# Altium PCB vme64x6U_ctrlc.PcbDoc (part 13 of 18)
Units mm, origin at the board's own origin, x right, y up, seen from the top; angles counter-clockwise.
Board outline 233.35 x 162 mm, 6 copper layers (TopLayer, PlaneGnd, PlanePwr, MidLayer3, MidLayer4, BottomLayer); 408 components, 677 nets, 2169 pads, 1555 vias.
Unrouted connection lines stored in the file: 184.
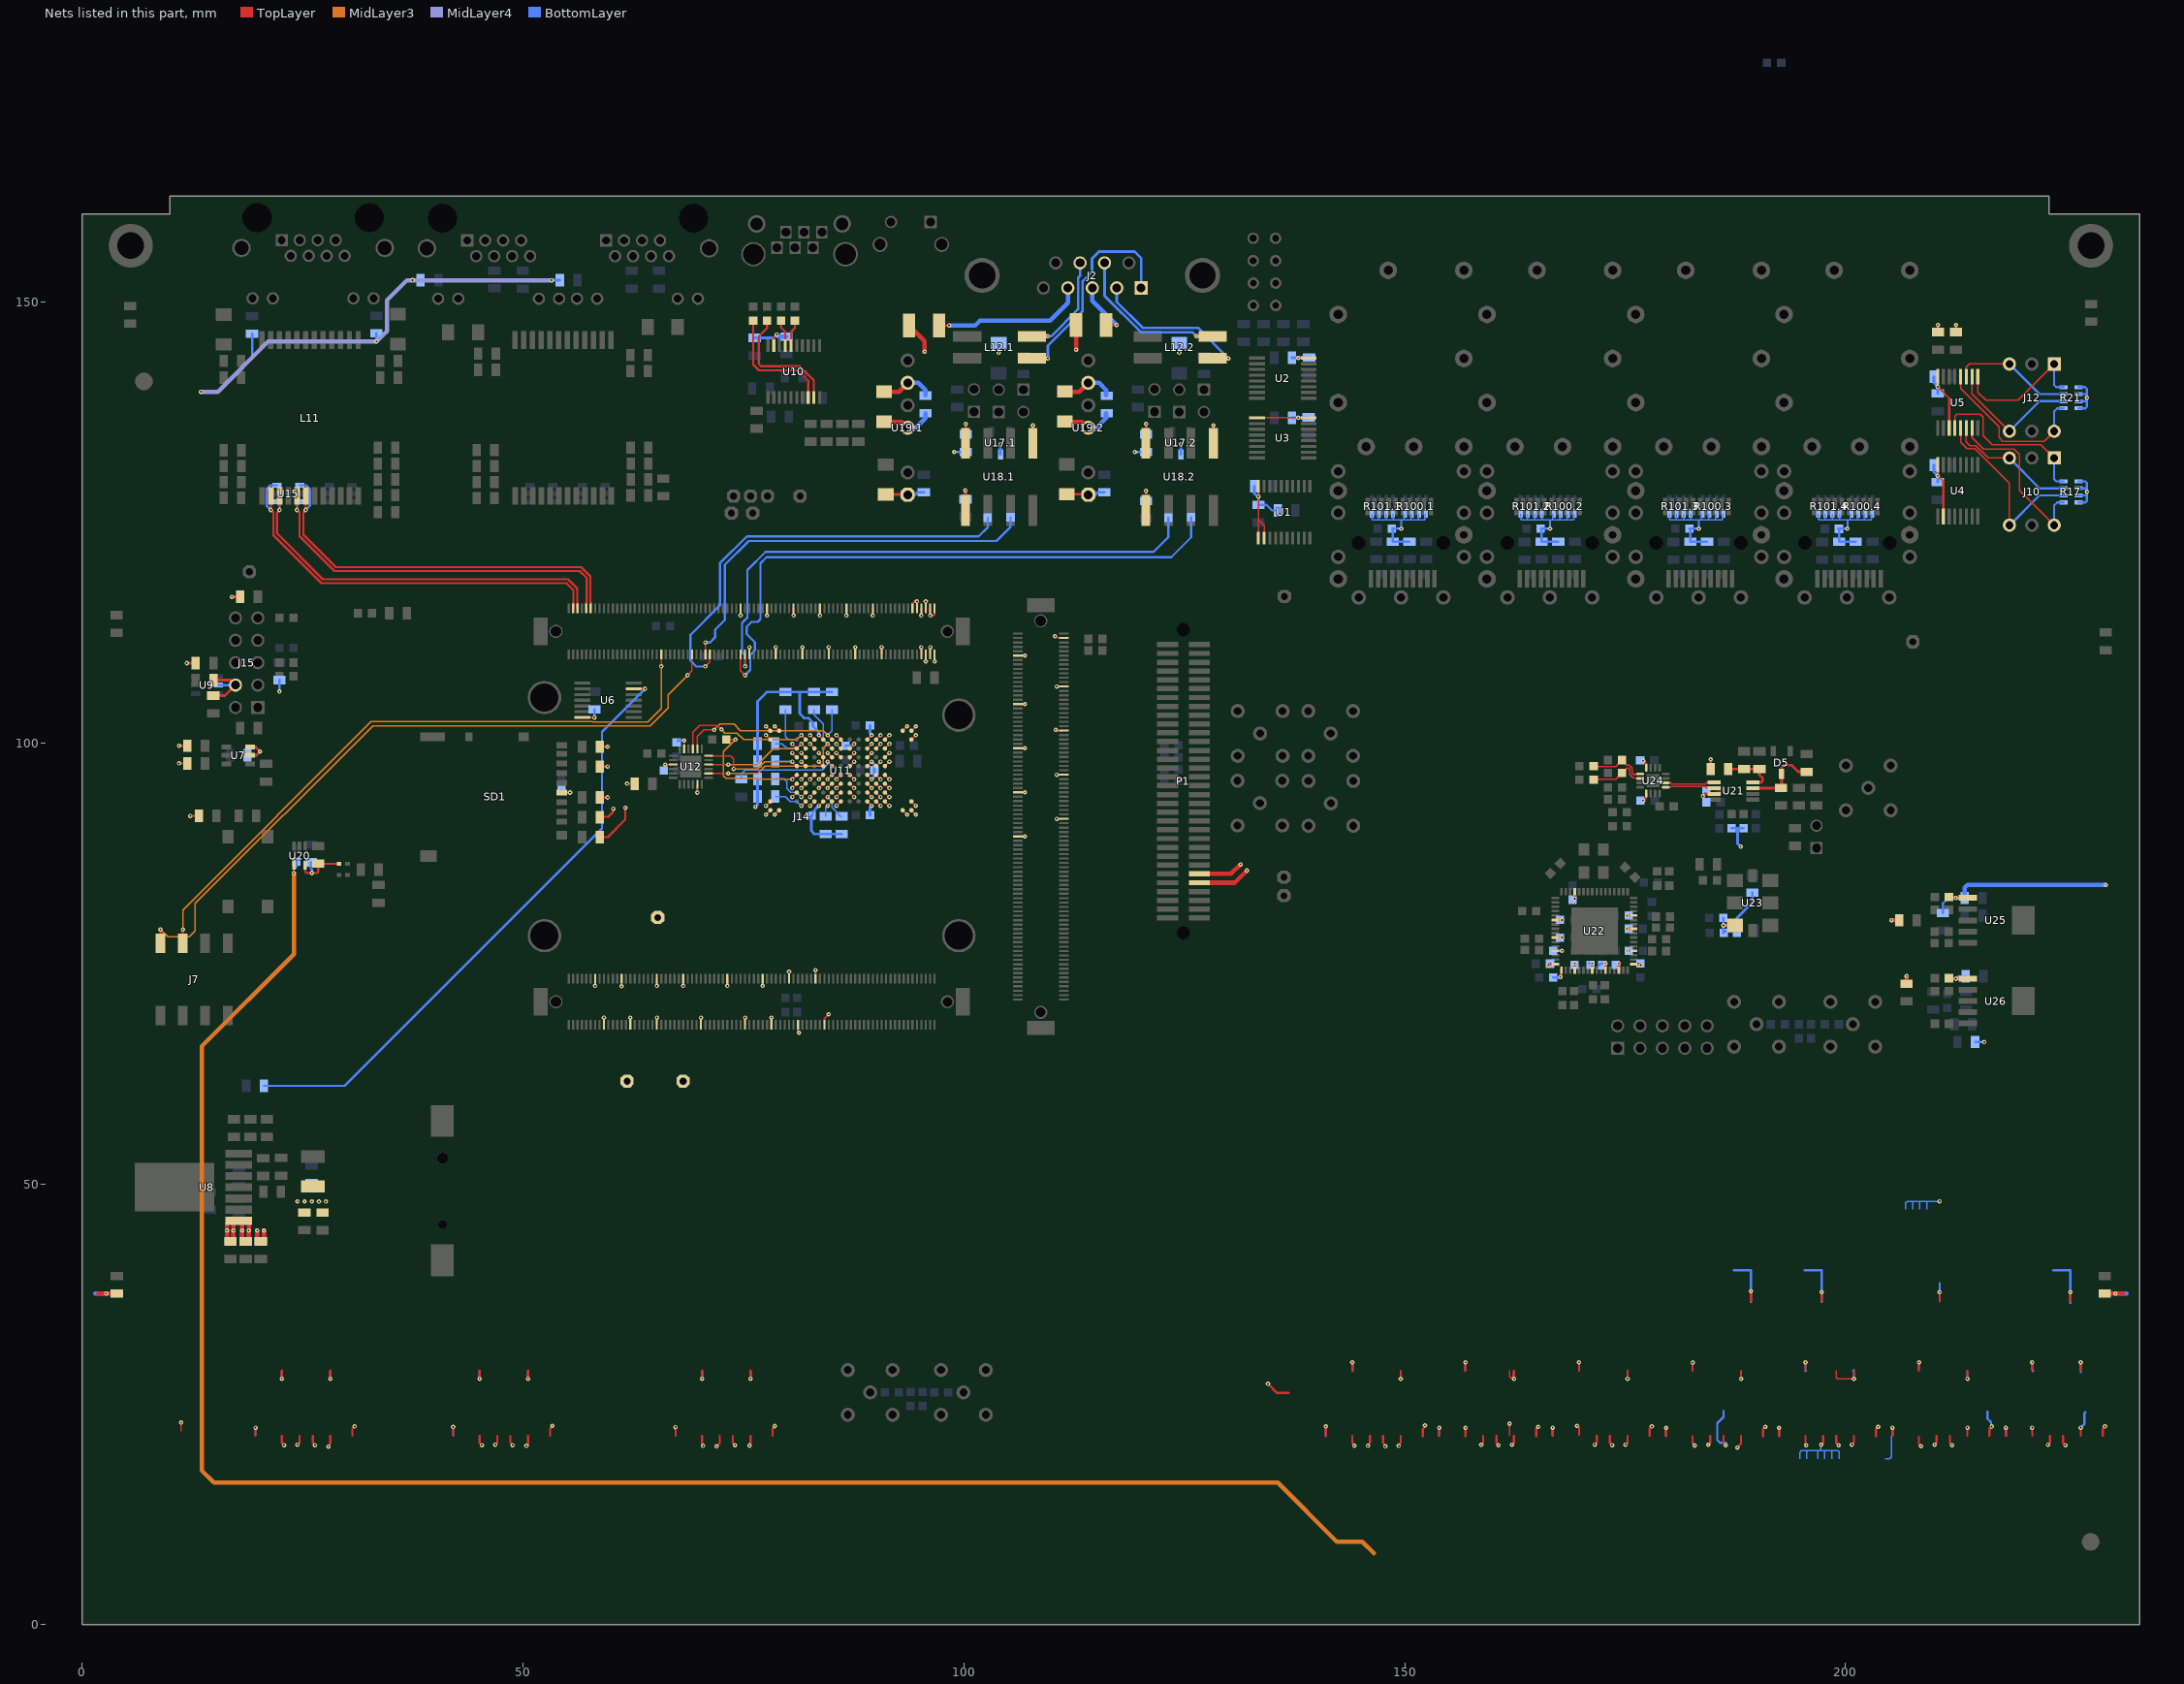
[diagram p17: the nets of this part, all layers, seen from the top]

## Part data
C1 C2 C3 C4 C5 C6 C7 C8 C9 C10 C11 C12 C13 C14 C15 C16 C17 C18 C19 C20 C21 C22 C23 C24 C25 C26 C27 C28 C29 C30 C31 C32 C33 C34 C35 C36 C37 C38 C39 C40 C41 C43 C44 C45 C46 C47 C48 C49 C65.1 C65.2 C66.1 C66.2 C67.1 C67.2 C68.1 C68.2 C69.1 C69.2 C70.1 C70.2 C71 C73.1 C73.2 C73.3 C73.4 C74.1 C74.2 C74.3 C74.4 C75.1 C75.2 C75.3 C75.4 C76.1 C76.2 C76.3 C76.4 C77.1 C77.2 C77.3 C77.4 C78 C79 C80 C81 C82 C83 C84 C85 C86 C87 C88 C89 C90 C91 C92 C93 C94 C95 C96 C97 C98 C99 C100 C101 C102 C103 C104 C105 C106 C107 C108 C109 C110 C111 C112 C113 C114 C115 C116 C117 C120 C121 C122 C123 C124 C127: library part CAPC, "Generic ceramic SMD capacitor", Last Change Data=06.03.2017, Maintainer="Evgeniy Kotov", Release Date=06.03.2017, SMD Solders=2, THD Solders=0
  C1 C2 C3 C4 C10 C11 C12 C14 C15 C16 C19 C25 C30 C33 C34 C35 C36 C37 C38 C65.1 C65.2 C66.1 C66.2 C67.1 C67.2 C69.1 C69.2 C81: PartField=0.1uF, Pkg=0805
  C5 C6 C8 C9 C39 C40 C41 C43 C44 C45 C46 C47 C48 C49 C71 C73.1 C73.2 C73.3 C73.4 C75.1 C75.2 C75.3 C75.4 C77.1 C77.2 C77.3 C77.4 C78 C79 C82 C83 C84 C85 C86 C87 C88 C89 C90 C91 C92 C93 C94 C95 C96 C97 C98 C99 C100 C101 C102 C103 C104 C105 C106 C107 C108 C109 C110 C111 C112 C113 C114 C115 C116 C117 C120 C122 C123 C127: PartField=100nF, Pkg=0603
  C7 C17 C18 C20 C21 C22 C23 C24 C26 C27 C28 C31 C32 C74.1 C74.2 C74.3 C74.4 C76.1 C76.2 C76.3 C76.4: PartField=22uF, Pkg=0805
  C13: PartField=270pF, Pkg=0805
  C29: PartField=120pF, Pkg=0805
  C68.1 C68.2 C70.1 C70.2: PartField=47uF, Pkg=1006
  C80: PartField=1nF, Pkg=0805
  C121 C124: PartField=10nF, Pkg=0603
C42 C50 C52 C53 C54 C55 C57 C60 C61 C62 C63 C72 C118 C119 C125 C126: library part CAPC, "Generic ceramic SMD capacitor", Voltage Rating=10V, Last Change Data=06.03.2017, Maintainer="Evgeniy Kotov", Pkg=0805, Release Date=06.03.2017, SMD Solders=2, THD Solders=0
  C42 C50 C52 C53 C54 C55 C57 C60 C61 C62 C63 C72 C118 C125: PartField=1uF
  C119 C126: PartField=22uF
C51 C56 C59 C64.1 C64.2: library part CAPC, "Generic ceramic SMD capacitor", VoltageRating=2kV, Last Change Data=06.03.2017, Maintainer="Evgeniy Kotov", PartField=1nF, Pkg=1206, Release Date=06.03.2017, SMD Solders=2, THD Solders=0
C58: library part CAPC, "Generic ceramic SMD capacitor / +' x '+Voltage Rating", VoltageRating=2kV, Last Change Data=06.03.2017, Maintainer="Evgeniy Kotov", PartField=1nF, Pkg=1206, Release Date=06.03.2017, SMD Solders=2, THD Solders=0
D1 D2: "Schottky Barrier Diode", Forward Current=100mA, Forward Voltage="0.38V @ 1mA / 1V @ 40mA", Reverse Current=15mA, Reverse Voltage=40V, Temperature Range="-55°C to +150°C", Last Change Data=28.03.2017, Maintainer="Evgeniy Kotov", PartField=BAS40SL, Pkg=SOD-923F, Release Date=28.03.2017, SMD Solders=2, THD Solders=0, Vendor=Vishay
D3: library part LEDx4_H485CGDL, "LED Circuit Board Indicator 4 High Green (x 4) Diffused 2.1V Round with Domed Top, 1.80mm Through Hole", Color=Green, Forward Current=5mA, Temperature Range="-55°C to +150°C", Last Change Data=28.03.2017, Maintainer="Evgeniy Kotov", PartField=H485CGDL, Pkg="8 pin THD Led", Release Date=28.03.2017, SMD Solders=0, THD Solders=8, Vendor="Bivar Inc."
D4: library part LED_SMD0603, "SMD Led, 0603", Color=Blue, Forward Current=5mA, Temperature Range="-55°C to +150°C", Last Change Data=28.03.2017, Maintainer="Evgeniy Kotov", PartField="LB Q39E-N1OO-35-1", Pkg=0603, Release Date=28.03.2017, SMD Solders=2, THD Solders=0, Vendor=Vishay
D5: "High Conductance Low Leakage Diode", HelpURL=https://www.engineering.uiowa.edu/sites/default/files/ees/files/NI/pdfs/01/30/DS013013.pdf, PartField=MMBD1503, Pkg=SOT-3N, SMD Solders=3, SolderOption=0, THD Solders=0
J1: library part BAT_CR1220, "BATTERY HOLDER COIN 12.5MM SMD", ComponentLink1Description=Datasheet, Last Change Data=02.04.2017, Maintainer="Evgeniy Kotov", PartField=BC501SM, Pkg="12MM SMD", Release Date=02.04.2017, SMD Solders=2, THD Solders=0
J2: "D-SUB; 9-pin, male, flange 7.2mm", PartField=DRB-9MA, Pkg=DRB-9MA, SMD Solders=0, SolderOption=0, THD Solders=11
J3 J4 J5 J6 J8 J9 J24 J27 J28: library part LEMO_EPA.00.250, PartField=EPA.00.250.NTN, Pkg="LEMO 5pin", SMD Solders=0, SolderOption=0, THD Solders=5
J7: library part DIPSW4, "SMD DIP Switch, Omron A6H or A6SN series", Manufacturer=Omron, PartField=A6SN-4104, Pkg="SMD 8pin", SMD Solders=8, THD Solders=0
J11: "Tactile Switch SPST-NO Side Actuated Through Hole, Right Angle", ComponentLink1Description=Datasheet, Last Change Data=02.04.2017, Maintainer="Evgeniy Kotov", PartField=PTS645VL582LFS, Pkg="Button 4 pin", Release Date=02.04.2017, SMD Solders=0, THD Solders=4
J13: "Tactile Switch SPST-NO Top Actuated Surface Mount", ComponentLink1Description=Datasheet, Last Change Data=02.04.2017, Maintainer="Evgeniy Kotov", PartField=PTS645SL43SMTR92, Pkg="Button 4 pin", Release Date=02.04.2017, SMD Solders=4, THD Solders=0
J14: library part FX10A-168P-SV_ME-SA2+, HelpURL=https://www.hirose.com/product/document?clcode=CL0570-0044-8-71&productname=FX10A-168P-SV(71)&series=FX10&documenttype=Catalog&lang=ru&documentid=D31650_en, PartField=FX10A-168P-SV1(71), PIN_COUNT=168, Pkg="SMD 170pin", SMD Solders=170, SolderOption=0, THD Solders=0
J15 J26: library part IDC-10MS, "Connector, 5x2, Male, 2.54mm Pitch, Strait contacts, with Body", ComponentLink1Description=Datasheet, Last Change Data=28.03.2017, Maintainer="Evgeniy Kotov", PartField=IDC-10MC, Pkg=IDC-10, Release Date=28.03.2017, SMD Solders=0, THD Solders=10
J16: library part RJ-14, PartField=1734723-1@TYCO, Pkg=RJ14-6p, SMD Solders=0, THD Solders=10
J17: library part RJ45-RJHSE-5381-2, "Dual Port, High Speed RJ45, Modular Jack, 8 Position, 8 Contacts, Shielded, with LEDs, -55 to 85 degC,12-Pin THD, RoHS, Tray", LED Color=Yellow-Green, Manufacturer=Amphenol, Operating Temperature=-55°C~85°C, Package Description="12-Pin Through Hole Device, Body 16.51 x 15.75 mm", Package Reference=RJHSE-5381, Ratings=-, Standard Package=120, 3D Model=RJHSE538x.stpRJHSE538x.igs, Catalog Drawings=RJ45SeriesRightAngle, Category=Connectors,Interconnects, Connector Type=Jack, Contact Finish=Gold, Contact Finish Thickness=50µin(1.27µm), Contact Material=PhosphorBronze, Datasheet URL=https://datasheet.ciiva.com/16481/rjhse538x-16481714.pdf, Datasheet Version="Rev. K, 04/2014", Family=ModularConnectors-Jacks, Featured Product=ModularJacksProductSolutions, Features=BoardLock, Housing Material=Thermoplastic, Ingress Protection=-, Manufacturer URL=http://www.amphenol.com/, Mounting Technology=ThroughHole, Mounting Type=ThroughHole, Number of Ports=1, Number of Positions/Contacts=8p8c(RJ45,Ethernet), Number of Rows=1, Online Catalog=RJHSESeries, Orientation=90°Angle(Right), Other Names=RJHSE5381, Packaging=Tray, PartField=RJHSE-5381-2, PCN Design/Specification=MultipleSeriesCopper29/Jan/2009RJHSEShieldMaterial30/Jun/2015, Pkg="LAN x2", Series=RJHSE, Shielding=Shielded,EMIFinger, SMD Solders=0, Tab Direction=Up, Termination=Solder, THD Solders=28
J18: library part RJ45-RJHSE-5381, "High Speed RJ45, Modular Jack, 8 Position, 8 Contacts, Shielded, with LEDs, -55 to 85 degC,12-Pin THD, RoHS, Tray", LED Color=Yellow-Green, Manufacturer=Amphenol, Operating Temperature=-55°C~85°C, Package Description="12-Pin Through Hole Device, Body 16.51 x 15.75 mm", Ratings=-, Standard Package=120, 3D Model=RJHSE538x.stpRJHSE538x.igs, Catalog Drawings=RJ45SeriesRightAngle, Category=Connectors,Interconnects, Connector Type=Jack, Contact Finish=Gold, Contact Finish Thickness=50µin(1.27µm), Contact Material=PhosphorBronze, Datasheet URL=https://datasheet.ciiva.com/16481/rjhse538x-16481714.pdf, Datasheet Version="Rev. K, 04/2014", Family=ModularConnectors-Jacks, Featured Product=ModularJacksProductSolutions, Features=BoardLock, Housing Material=Thermoplastic, Ingress Protection=-, Manufacturer URL=http://www.amphenol.com/, Mounting Technology=ThroughHole, Mounting Type=ThroughHole, Number of Ports=1, Number of Positions/Contacts=8p8c(RJ45,Ethernet), Number of Rows=1, Online Catalog=RJHSESeries, Orientation=90°Angle(Right), Other Names=RJHSE5381, Package Reference=RJHSE-5381, Packaging=Tray, PartField=RJHSE-5381, PCN Design/Specification=MultipleSeriesCopper29/Jan/2009RJHSEShieldMaterial30/Jun/2015, Pkg="LAN conn", Series=RJHSE, Shielding=Shielded,EMIFinger, SMD Solders=0, Tab Direction=Up, Termination=Solder, THD Solders=14
J19.1 J19.2 J20.1 J20.2 J21.1 J21.2: "Connector, 5x2, Male, 2.54mm Pitch, Right Angle", ComponentLink1Description=Datasheet, Last Change Data=02.04.2017, Maintainer="Evgeniy Kotov", PartField=PLS-2, Pkg=PLS-2, Release Date=02.04.2017, SMD Solders=0, THD Solders=2
J22.1 J22.2 J22.3 J22.4: library part MOLEX-74441-0001, "CONN SFP+ RCPT 20POS SLD R/A SMD", Package Quantity=1152, ComponentLink1Description="Manufacturer URL", ComponentLink1URL=http://www.molex.com/, ComponentLink2Description=Datasheet, ComponentLink2URL=http://www.molex.com/webdocs/datasheets/pdf/en-us/0747540101_IO_CONNECTORS.pdf, ComponentLink3Description="Package Specification", ComponentLink3URL=http://www.molex.com/pdm_docs/sd/747540101_sd.pdf, DatasheetVersion="Rev. Jul-15", Height="10.85 mm", Length="15.9 mm", Mounting Technology="Through Hole", PackageDescription="CONN SFP+ RCPT 20POS SLD R/A SMD", PackageVersion="Rev. J, 02/2015", Packaging=Tray, PartField=74441-0001, PartNumber=74441-0001, Pkg="SMD SFP conn", Radiation Hardening=No, RoHSCompliant=True, SMD Solders=20, THD Solders=0, Width="49 mm"
J23.1 J23.2 J23.3 J23.4: library part MOLX-74754-0101, "SFP+ Cage, Single Port, Height 10.85 mm, Tail Height 3.05 mm, -40 to 85 degC, RoHS, Tray", Package Quantity=1152, ComponentLink1Description="Manufacturer URL", ComponentLink1URL=http://www.molex.com/, ComponentLink2Description=Datasheet, ComponentLink2URL=http://www.molex.com/webdocs/datasheets/pdf/en-us/0747540101_IO_CONNECTORS.pdf, ComponentLink3Description="Package Specification", ComponentLink3URL=http://www.molex.com/pdm_docs/sd/747540101_sd.pdf, DatasheetVersion="Rev. Jul-15", Height="10.85 mm", Length="15.9 mm", Mounting Technology="Through Hole", PackageDescription="SFP+ Cage, Single Port, Height 10.85 mm, Tail Height 3.05 mm", PackageVersion="Rev. J, 02/2015", Packaging=Tray, PartField=74754-0101, PartNumber=74754-0101, Pkg="SFP cage", Radiation Hardening=No, RoHSCompliant=True, SMD Solders=0, THD Solders=20, Width="49 mm"
J25: library part JUMPER2, PartField=PLS-2, Pkg=PLS-2, SMD Solders=0, SolderOption=0, THD Solders=2
L1 L13.1 L13.2: "Inductor, Fixed, 1210, 4.7uH, 216mOhm, 1A, 30%", DC Current=750mA, DC Resistance=380m?, Temperature Range="-40°C to +105°C", Tolerance=20%, Last Change Data=30.03.2017, Maintainer="Evgeniy Kotov", PartField=LQH32PN4R7NN0L, Pkg=1210, Release Date=30.03.2017, SMD Solders=2, THD Solders=0, Vendor=Murata
L2 L3 L4 L5: "Ferrite Beads, 0805, 1 kOhm", DC Current=200mA, DC Resistance=500m?, Temperature Range="-55°C to +125°C", Tolerance=25%, Last Change Data=30.03.2017, Maintainer="Evgeniy Kotov", PartField=BLM21RK102SN1D, Pkg=0805, Release Date=30.03.2017, SMD Solders=2, THD Solders=0, Vendor=Murata
L6 L11: library part LAN_1G_TR_H5008NL, "LAN Transformer fog 1GbE, 12 coils, 4 pairs.", Temperature Range="-25°C to +85°C", Tolerance=2%, Last Change Data=31.03.2017, Maintainer="Evgeniy Kotov", PartField=H5008NL, Pkg=H5008NL, Release Date=31.03.2017, SMD Solders=2, THD Solders=0, Vendor="Pulse Electronics"
L7 L8 L9 L10: library part BLM21RK102SN1D, "Ferrite Beads, 0805, 1 kOhm", DC Current=200mA, DC Resistance=500m?, Temperature Range="-55°C to +125°C", Tolerance=25%, Last Change Data=30.03.2017, Maintainer="Evgeniy Kotov", PartField=BLM21RK102SN1D, Pkg=0805, Release Date=30.03.2017, SMD Solders=2, THD Solders=0, Vendor=Murata
L14.1 L14.2 L14.3 L14.4 L15.1 L15.2 L15.3 L15.4: "Ferrite Beads, 0805, 220 Ohm, 2A", DC Current=200mA, DC Resistance=50m?, Temperature Range="-55°C to +125°C", Tolerance=25%, Last Change Data=30.03.2017, Maintainer="Evgeniy Kotov", PartField=BLM21PG221SN1, Pkg=0805, Release Date=30.03.2017, SMD Solders=2, THD Solders=0, Vendor=Murata
P1: library part PCI_PMC_TYCO_120521-1, "PCI Mezzanine Connector; IEEE 1386", Manufacturer="TE Connectivity", PartField=TYCO_120521-1, Pkg="SMD 64 pin", SMD Solders=64, THD Solders=0
R1 R2 R3 R4 R5 R6 R7 R8 R9 R10 R11 R12 R13 R14 R15 R16 R18 R19 R20 R22 R23 R24 R25 R26 R27 R28 R29 R30 R31 R32 R33 R34 R35 R36 R37 R38 R39 R40 R41 R42 R43 R44 R45 R46 R47 R48 R49 R50 R51 R52 R53 R54 R55 R56 R57 R58 R59 R60 R61 R62 R63 R64 R65 R66 R67 R68 R69 R70 R71 R72 R73 R74 R75 R76 R77 R78 R79 R80 R81 R82 R83 R84 R85 R86 R87 R88 R89 R90 R91 R92 R93 R94 R95.1 R95.2 R96.1 R96.2 R97.1 R97.2 R98.1 R98.2 R99 R102 R103 R104 R105 R106 R107 R108 R109 R110 R111 R112 R113 R114 R115 R116 R117 R118 R119 R120 R121 R122 R123 R124 R125 R126 R127 R128 R129 R130 R131 R132 R133 R134 R135 R136 R137 R138: library part RESC, "Resistor, Generic, SMD", Last Change Data=09.03.2017, Maintainer="Evgeniy Kotov", Release Date=06.03.2017, SMD Solders=2, THD Solders=0
  R1 R2 R3 R4 R5 R6 R7 R10 R118 R119 R137: PartField=5.1k?, Pkg=0805
  R8: PartField=43k?, Pkg=0805
  R9 R11 R12 R13 R14 R15 R16 R18 R19 R41 R45 R47 R48 R123 R124 R125 R128 R129 R132 R134: PartField=100?, Pkg=0603
  R20 R46 R49 R50 R61 R62 R63 R64 R65 R66 R67 R68 R69 R70 R71 R74 R75 R76 R77 R78 R106: PartField=10k?, Pkg=0805
  R22 R23 R25 R26 R34 R35 R38 R42 R44 R54 R56 R57 R58: PartField=1k?, Pkg=0805
  R24 R29 R51 R52 R99 R108 R112: PartField=51k?, Pkg=0805
  R27 R28 R31 R33: PartField=10M?, Pkg=0805
  R30 R32 R37 R102 R109: PartField=0?, Pkg=0805
  R36: PartField=75k?, Pkg=0805
  R39: PartField=24k?, Pkg=0805
  R40 R43 R53 R55 R59 R60 R72 R73 R96.1 R96.2 R98.1 R98.2 R113 R115 R122 R126 R127: PartField=22?, Pkg=0603
  R79 R81 R82 R83 R84 R85 R87 R88 R89 R90 R92 R94: PartField=75?, Pkg=0805
  R80 R86 R91 R93 R103 R104 R107 R114: PartField=150?, Pkg=0805
  R95.1 R95.2 R97.1 R97.2: PartField=62?, Pkg=0805
  R105 R120: PartField=51?, Pkg=0805
  R110 R111 R116 R117: PartField=*?, Pkg=0603
  R121: PartField=820?, Pkg=0603
  R130 R131 R135 R136: PartField=91?, Pkg=0603
  R133: PartField=68?, Pkg=0603
  R138: PartField=12k?, Pkg=0805
R17 R21 R100.1 R100.2 R100.3 R100.4 R101.1 R101.2 R101.3 R101.4: library part RESPACK4, Last Change Data=16.05.2019, Maintainer="Anton Pavlenko", Pkg="SMD 8pin", Release Date=16.05.2019, SMD Solders=8, THD Solders=0
  R17 R21: PartField=CAY16-4702F4LF
  R100.1 R100.2 R100.3 R100.4 R101.1 R101.2 R101.3 R101.4: PartField=CAY16-1002F4LF
SD1: "Micro SD Card Connector, 0.5 A, 125 V, -25 to 85 degC, 8-Pin SMD, RoHS, Tape and Reel", Manufacturer="Hirose Electric", Package Description="8-Pin Surface Mount Device, Body 16.15 x 13.85 mm, Pitch 1.1 mm", Package Reference=DM3AT-8, Standard Package=1, Card Type=SecureDigital-microSD™, Category=Connectors,Interconnects, Connector Type=ConnectorandEjector, Contact Finish=Gold, Contact Finish Thickness=-, Datasheet URL=https://ciiva.com/datasheet-click-46418261?src=ciiva&sig=4019062a, Datasheet Version=Jun-10, Ejector Side=-, Family=MemoryConnectors-PCCardSockets, Featured Product=DM3ATSeries, Features=Switch, HTML Datasheet=DM3SeriesmicroSD.html, Insertion, Removal Method=PushIn,PushOut, Manufacturer URL=https://www.hirose.com, Mounting Feature=Normal,Standard-Top, Mounting Type=SurfaceMount,RightAngle, Number of Positions=10(8+2), Online Catalog=DM3Series, Other Names=HR1964DKR, Package URL=https://www.hirose.com/product/en/download_file/key_name/DM3/category/Catalog/doc_file_id/49662/?file_category_id=4&item_id=195&is_series=1, Packaging=Digi-Reel, PartField=DM3AT-SF-PEJM5, Pkg="SD card hlder", Product Training Modules=DM3SeriesmicroSDCardSockets, Series=DM3, SMD Solders=14, THD Solders=0, Vendor="Hirose Electric"
TP1 TP2 TP3 TP4 TP5 TP6 TP7 TP8 TP9 TP10 TP11 TP12 TP13 TP14: library part TestPoint, "testPoint", PartField="test point", Pkg=DNP, SMD Solders=0, SolderOption=0, THD Solders=0, Vendor=BINP
U1: "4-Channel I2C-Bus Multiplexer with Interrupt Logic", Case=SSOP20, Manufacturer="NXP SEMICONDUCTORS", Author="CERN DEM JLC", Bonding=No, ComponentHeight=1.1mm, Component Type=Standard, CreateDate=06/10/2014, Device=PCA9544APW, HelpURL=\\cern.ch\dfs\Applications\Altium\Datasheets\PCA9544APW.pdf, LatestRevisionDate=06/10/2014, Manufacturer Part Number=PCA9544APW, Mounted=Yes, PackageDescription="SOP, 20-Leads, Body 6.6x4.5mm (max), Pitch 0.65mm, IPC Medium Density", Part Description="4-Channel I2C-Bus Multiplexer with Interrupt Logic", PartField=PCA9544APW, Part Number=PCA9544APW, Pin Count=20, Pkg=SSOP20, PressFit=No, Sense=No, SMD=Yes, SMD Solders=20, Socket=No, THD Solders=0
U2 U3 U4 U5: "8-Bit I2C-Bus and SMBus Low Power I/O Port with Interrupt", Case=SSOP16, Manufacturer="ANALOG DEVICES", Author="CERN DEM JLC", Bonding=No, ComponentHeight=1.1mm, Component Type=Standard, CreateDate=18/12/2013, Device=PCA9534PW, HelpURL=\\cern.ch\dfs\Applications\Altium\Datasheets\PCA9534PW.pdf, LatestRevisionDate=18/12/2013, Manufacturer Part Number=PCA9534PW, Mounted=Yes, PackageDescription="SOP, 0.65mm pitch; 16 pin, 4.40mm W X 5.00mm L X 1.10mm H body IPC Medium Density", Part Description="8-Bit I2C-Bus and SMBus Low Power I/O Port with Interrupt", PartField=PCA9534PW, Part Number=PCA9534PW, Pin Count=16, Pkg=SSOP16, PressFit=No, Sense=No, SMD=Yes, SMD Solders=16, Socket=No, THD Solders=0
U6: "Sextuple NOR Gate", Manufacturer="Texas Instruments", PACKAGE_DESIGNATOR=PW, FAMILY_NAME=NOR_GATE, GENERIC_PART_NUMBER=SN74LVC04APW, HelpURL=http://www.ti.com/lit/ds/symlink/sn74lvc04a.pdf, INDUSTRY_STD_PKG_TYPE=TSSOP, Manufacturer_Part_Number=SN74LVC04APW, PartField=SN74LVC04APW, PIN_COUNT=14, Pkg=PW-14, SMD Solders=14, THD Solders=0, Vendor="Texas Instruments"
U7: "Low-Quiescent-Current Programmable-Delay Supervisory Circuit", ComponentLink1Description=Datasheet, ComponentLink1URL=http://www.ti.com/lit/ds/symlink/dac7565.pdf, Last Change Date=19.03.2017, Maintainer="Evgeniy Kotov", PartField=TPS3808G33QDBVRQ1, Pkg=SOT23-6, Release Date=19.03.2017, SMD Solders=6, THD Solders=0, Vendor="Texas Instruments"
U8: library part LMZ10504EXT_NDW, "4A, SIMPLE SWITCHER® Power Module with 5.5V Maximum Input Voltage for Military and Rugged Applications", Manufacturer="Texas Instruments", Manufacturer_Part_Number=lmz10504ext_ndw_7, NSC_PackageReference=TZA07A, basePN=LMZ10504EXT, HelpURL=http://www.ti.com/lit/ds/symlink/lmz10504ext.pdf, PartField=LMZ10504EXT, Pkg=PMOD-7EP, SMD Solders=8, THD Solders=0, Vendor="Texas Instruments"
U9 U13 U14 U15 U16: "Transimpedance Amplifier; Selectable-Feedback Resistance", ComponentLink1Description=Datasheet, ComponentLink1URL=http://assets.nexperia.com/documents/data-sheet/IP4220CZ6.pdf, Last Change Date=28.03.2017, Maintainer="Evgeniy Kotov", PartField=IP4220CZ6, Pkg=SOT457, Release Date=28.03.2017, SMD Solders=6, THD Solders=0, Vendor=NXP
U10: library part ADM3222ARU, "RS232", ComponentLink1URL=https://www.analog.com/media/en/technical-documentation/data-sheets/ADM3202_3222_1385.pdf, Last Change Date=24.05.2019, PartField=ADM3222ARUZ, Pkg=TSSOP-20, SMD Solders=20, THD Solders=0, Vendor="Analog Devices"
U11: library part MTFC32GAKAENA, PartField="MTFC8GACAEDQ-AAT TR", Pkg=LBGA-100, SMD Solders=100, THD Solders=0
U12: library part TXS02612_RTW_24, "IC SDIO PORT EXPANDER AND LEVEL SHIFTER", Manufacturer="Texas Instruments", Manufacturer_Part_Number=txs02612_rtw_24, PACKAGE_DESIGNATOR=RTW, Datasheet URL=http://www.ti.com/lit/gpn/TXS02612, FAMILY_NAME="APPLICATION SPECIFIC (COMPACT FLASH, SD, MMC, I2C)", GENERIC_PART_NUMBER=TXS02612RTWR, INDUSTRY_STD_PKG_TYPE=QFN, PartField=TXS02612RTWR, PIN_COUNT=24, Pkg=QFN-24EP, RefDes=RefDes, SMD Solders=25, THD Solders=0, Type=DEV, Vendor="Texas Instruments"
U19.1 U19.2: "AM3G-0505DZ", Manufactuer=Aimtec, HelpURL=http://www.aimtec.com/site/Aimtec/files/Datasheet/HighResolution/AM1D-NZ.pdf, Manufacturer=Aimtec, PartField=AM1D-0505S-N, Pkg=SIP-7pin, SMD Solders=0, SolderOption=0, THD Solders=7, Vendor=Aimtec
U20: "Ultra low power (Iq=1.2 mkA) LDO 3.3V Fixed", Manufacturer="Texas Instruments", PACKAGE_DESIGNATOR=MF, FAMILY_NAME=LDO, GENERIC_PART_NUMBER=TPS79733DCK, HelpURL=http://www.ti.com/lit/ds/symlink/tps797.pdf, INDUSTRY_STD_PKG_TYPE=SC70-5, Manufacturer_Part_Number=TPS79733DCK, PartField=TPS79733DCK, PIN_COUNT=5, Pkg=SC70-5, SMD Solders=5, THD Solders=0, Vendor="Texas Instruments"
U21: "LVDS Comparator", Manufacturer_Part_Number=ADCMP553BRMZ, PartField=ADCMP553BRMZ, Pkg=MSOP-8, SMD Solders=8, SolderOption=0, THD Solders=0, Vendor="Analog Devices Inc"
U22: library part Si5395A, Manufacturer=SiLabs, PartField=Si5395A-A-GM, Pkg=QFN-64EP, SMD Solders=65, THD Solders=0, Vendor=SiLabs
U23: library part Si570, "XTAL OSCILLATOR SMD", Ambient Temperature Range High=+85°C, Ambient Temperature Range Low=-40°C, Frequency=0.2-1500MHz, Manufacturer="Silicon Labs", Manufacturer Part Number=541AAA001040BAGR, Max Supply Voltage=3.465V, Min Supply Voltage=2.375V, Nominal Supply Current=100mA, Temperature="-40°C to +85°C", Automotive=No, Category=IC, ComponentLink2Description=Datasheet, ComponentLink2URL=https://www.silabs.com/documents/public/data-sheets/si541-datasheet.pdf, Device Class L1="Integrated Circuits (ICs)", Device Class L2="Clock and Timing", Device Class L3="Timers and Oscillators", Digikey Description="XTAL OSCILLATOR SMD", Height=1.33mm, Last Change Data=09.03.2017, Lead Free=Yes, Maintainer="Evgeniy Kotov", Octopart=https://octopart.com/541aaa001040bagr-silicon+labs-103392146, PartField=570CBC000306DG, Pkg="SMD 6pin", RoHS=TRUE, SMD Solders=6, Temperature Range High=+85°C, Temperature Range Low=-40°C, THD Solders=0
U24: "IC CLK FANOUT BUFFER 1:2 16LFCSP", Ambient Temperature Range High=+85°C, Ambient Temperature Range Low=-40°C, Manufacturer="Silicon Labs", Max Junction Temp=+125°C, Max Supply Voltage=3.63V, Min Supply Voltage=1.71V, Nominal Supply Current=65mA, Temperature="-40°C to +85°C", Automotive=No, Category=IC, ComponentLink2Description=Datasheet, ComponentLink2URL=https://www.silabs.com/documents/public/data-sheets/si5330x-datasheet.pdf, Device Class L1="Integrated Circuits (ICs)", Device Class L2="Clock and Timing", Device Class L3="Clock Buffers", Digikey Description="IC CLK BUFFER 2:4 725MHZ 16QFN", Height=0.9mm, Ipc Land Pattern Name=QFN50P300X300X85-16, Last Change Data=09.03.2017, Lead Free=Yes, Logic Function=Non-Inverting, Maintainer="Evgeniy Kotov", Manufacturer Part Number=ADCLK925BCPZ, Mouser Description="Clock Buffer 1:2 Univ bufr/Lvl Trans 725MHz", Number Of Elements=1, Number Of Inputs=2, Number Of Outputs=4, Octopart=https://octopart.com/si53307-b-gm-silicon+labs-51374320, PartField=ADCLK925BCPZ, Pkg=LFCSP-16EP, Propagation Delay=875ps, RoHS=TRUE, SMD Solders=17, Standoff Height=0mm, Temperature Range High=+85°C, Temperature Range Low=-40°C, THD Solders=0
U25: "Single Output LDO, 1.0A, Fixed (3.3V), Low Noise, Fast Transient Response", Manufacturer="Texas Instruments", Manufacturer_Part_Number=reg104-33_dcq_6, PACKAGE_DESIGNATOR=DCQ, Datasheet URL=http://www.ti.com/lit/gpn/REG104-A, FAMILY_NAME="SINGLE CHANNEL LDO", GENERIC_PART_NUMBER=REG104GA-3.3, INDUSTRY_STD_PKG_TYPE=SOT-223, PartField=REG104GA-3.3, PIN_COUNT=6, Pkg=SOT-5EP, SMD Solders=6, THD Solders=0, Vendor="Texas Instruments"
U26: "Single Output LDO, 1.0A, Adj.(1.295 to 5.5V), Low Noise, Fast Transient Response", Manufacturer="Texas Instruments", Manufacturer_Part_Number=reg104-a_dcq_6, PACKAGE_DESIGNATOR=DCQ, Datasheet URL=http://www.ti.com/lit/gpn/REG104-A, FAMILY_NAME="SINGLE CHANNEL LDO", GENERIC_PART_NUMBER=REG104GA-A, INDUSTRY_STD_PKG_TYPE=SOT-223, PartField=REG104GA-A, PIN_COUNT=6, Pkg=SOT-5EP, SMD Solders=6, THD Solders=0, Vendor="Texas Instruments"
XC1: library part XTAL_CX3225SB48, "Kyocera XTAL 48MHz CX3225SB48000D0WPSC1", Last Change Data=09.03.2017, Maintainer="Evgeniy Kotov", PartField=CX3225SB48000D0WPSC1, Pkg="4 pin SMD", Release Date=06.03.2017, SMD Solders=4, THD Solders=0, Vendor=Kyocera
J10 J12: PartField=ERD116XSZ, Pkg="Rotary 6pin", SMD Solders=0, SolderOption=0, THD Solders=6, Vendor=ECE
L12.1 L12.2: PartField=B82790C0513, Pkg="SMD 4 pin", SMD Solders=4, THD Solders=0, Vendor=Epcos
U17.1 U17.2: ComponentLink1Description=Datasheet, ComponentLink1URL=https://static.chipdip.ru/lib/081/DOC001081416.pdf, Last Change Data=05.03.2020, PartField=SM712, Pkg=SOT23-3, SMD Solders=3, THD Solders=0, Vendor=SemTech
U18.1 U18.2: Order=main, PartField=ISO1050DU, Pkg=SOP-8, SMD Solders=8, THD Solders=0

## Free pads (board coordinates)
  round 5 hole 3: 0(5.5,156.4) 0(227.85,156.4)
  round 2 smd mask+1: 2(7,141) 2(227.8,9.4)
  round 2 smd far side mask+1: 2(7,141) 2(227.8,9.4)

## Via types
v1: diameter 0.5, hole 0.2, TopLayer to BottomLayer, tented both sides, 1555 vias

## Nets (pads, with @x,y where several pads share a name; then routed paths per layer and width w, separated by ;. In a path a pad name is that pad's centre, name@x,y a point inside that pad or via, vN(x,y) a via of type N, cw(c..) or ccw(c..) an arc to the next point about the centre after c; other vN are vias at no path point)
1V8DPLL: C93.2 C94.2 C95.2 R102.1 U22.32 U22.46 U22.60 | length 3.3
  TopLayer w0.3: v1(166.3,74.8) 166.425,74.925 U22.32@167.075,74.925 ; U22.46@174.275,74.225 v1(174.275,75) ; v1(175.2,80.425) U22.60@175.975,80.425
  TopLayer w0.5: R102.1@206.925,72.7 v1(206.925,73.575)
3V3BATLDO: C72.2 D1.1 R99.2 U20.5 | length 6.9
  TopLayer w0.25: U20.5@25.3,86.125 25.3,85.375 25.425,85.25 v1(26.05,85.25) 26.675,85.25 26.775,85.35 R99.2@26.775,86.3 26.79,86.285 D1.1@29.13,86.285
  BottomLayer w0.25: C72.2@25.95,86.45 25.925,86.425 25.925,85.775 26.05,85.65 v1(26.05,85.25)
3V3DPLL: C109.2 R109.1 U22.13 | length 1.7
  TopLayer w0.3: v1(169.275,82.35) U22.13@169.275,83.125
  TopLayer w0.5: v1(205.2,79.9) R109.1@206.075,79.9
+1V8MOD: J14.B52 J14.B76 J14.B108 J14.B128 TP14.1 | length 3.8
  TopLayer w0.2: J14.B128@65.175,68.05 v1(65.175,68.85) ; J14.B108@70.175,68.05 v1(70.175,68.85) ; J14.B76@78.175,68.05 v1(78.175,68.85) ; J14.B52@84.175,68.05 84.175,68.75 v1@84.65,69.225
  other v1: 84.675,69.225
+2V5MOD: C88.2 C89.2 C91.2 C97.2 C98.2 C99.2 C102.2 C104.2 C105.2 C106.2 J14.A53 J14.A62 J14.A65 J14.A89 J14.B64 J14.B67 J14.B88 J14.B95 J14.B140 J14.B143 J14.C76 J14.C83 J14.C116 J14.C123 J14.C158 J14.C165 TP13.1 U22.22 U22.26 U22.29 U22.33 U22.36 U22.40 U22.43 U22.49 U22.52 U22.57 | length 23.9
  TopLayer w0.15: J14.C76@106.125,89.4 v1(106.925,89.4) ; J14.C116@106.125,99.4 v1(106.925,99.4) ; J14.C158@106.125,109.9 v1(106.925,109.9) ; v1(110.525,91.4) J14.C83@111.325,91.4 ; v1@110.525,101.4 J14.C123@111.325,101.4 ; v1@110.525,111.918 J14.C165@111.325,111.918
  TopLayer w0.2: v1(61.175,72.4) J14.B143@61.175,73.25 ; J14.B140@62.175,68.05 v1(62.175,68.85) ; v1(73.175,72.45) J14.B95@73.175,73.25 ; v1(74.675,114.45) J14.A89@74.675,115.25 ; J14.B88@75.175,68.05 v1(75.175,68.85) ; J14.B67@80.175,73.25 v1(80.175,74.05) ; v1(80.675,114.45) J14.A65@80.675,115.25 ; J14.B64@81.175,68.05 81.175,67.25 v1(81.3,67.125) ; J14.A62@81.675,110.05 v1(81.675,110.85) ; v1(83.675,114.45) J14.A53@83.675,115.25
  TopLayer w0.3: U22.29@167.075,76.425 v1(167.85,76.425) ; U22.26@167.075,77.925 v1(167.85,77.925) ; U22.22@167.075,79.925 v1(167.85,79.925) ; v1(167.65,73.45) 167.775,73.575 U22.33@167.775,74.225 ; U22.36@169.275,74.225 v1(169.275,75) ; U22.40@171.275,74.225 v1(171.275,75) ; U22.43@172.775,74.225 v1(172.775,75) ; v1(175.2,76.425) U22.52@175.975,76.425 ; v1(175.2,78.925) U22.57@175.975,78.925 ; U22.49@175.975,74.925 176.625,74.925 v1(176.75,74.8)
  BottomLayer w0.25: C97.2@166.85,73.4 167.6,73.4 v1(167.65,73.45) ; C98.2@166.85,76.425 v1(167.85,76.425)
  BottomLayer w0.3: C89.2@170.9,75 v1(171.275,75) ; C91.2@172.075,74.8 172.275,75 v1(172.775,75)
  other v1: 110.425,101.5 110.35,112.093
+3.3VD: C1.1 C2.1 C3.1 C4.1 C10.1 C11.2 C31.2 C32.2 C33.2 C38.2 C39.1 C40.1 C43.1 C44.1 C45.1 C46.1 C47.1 C48.1 C49.1 C66.1.2 C66.2.2 C73.1.2 C73.2.2 C73.3.2 C73.4.2 C78.1 C79.1 C82.1 C83.1 C100.2 C103.2 C126.2 C127.2 J14.A38 J14.A41 J14.A74 J14.A77 J15.4 L1.2 L14.1.1 L14.2.1 L14.3.1 L14.4.1 L15.1.1 L15.2.1 L15.3.1 L15.4.1 P1.9 P1.11 R1.1 R2.1 R3.2 R4.2 R5.2 R6.2 R7.2 R10.1 R17.5 R17.6 R17.7 R17.8 R20.1 R21.5 R21.6 R21.7 R21.8 R24.1 R29.1 R37.1 R42.2 R46.2 R49.2 R50.2 R52.2 R61.1 R62.1 R63.1 R64.1 R65.1 R66.1 R67.1 R68.1 R69.1 R71.2 R74.1 R75.1 R76.1 R77.1 R78.1 R80.1 R86.1 R91.1 R93.1 R100.1.1 R100.1.2 R100.1.3 R100.1.4 R100.2.1 R100.2.2 R100.2.3 R100.2.4 R100.3.1 R100.3.2 R100.3.3 R100.3.4 R100.4.1 R100.4.2 R100.4.3 R100.4.4 R101.1.1 R101.1.2 R101.1.3 R101.1.4 R101.2.1 R101.2.2 R101.2.3 R101.2.4 R101.3.1 R101.3.2 R101.3.3 R101.3.4 R101.4.1 R101.4.2 R101.4.3 R101.4.4 R104.2 R106.2 R110.1 R116.1 R118.1 R119.1 SD1.4 U1.1 U1.2 U1.20 U2.16 U3.1 U3.16 U4.2 U4.16 U5.3 U5.16 U7.5 U7.6 U9.5 U10.19 U11.F2 U11.F3 U11.F4 U11.F5 U11.F6 U11.F7 U11.F8 U11.F9 U11.H3 U11.H8 U11.L2 U11.L4 U11.L7 U11.L9 U11.P3 U11.P8 U12.5 U12.17 U12.21 U18.1.1 U18.2.1 U21.7 U23.6 U24.8 U24.13 U26.1 | length 484.6
  TopLayer w0.15: 11.2,21.95 v1(11.2,22.92) ; v1(66.125,97.55) U12.21@67.025,97.55 ; U12.17@68.275,99.3 v1(68.275,100.275) ; v1(69.775,94.375) U12.5@69.775,95.3 ; v1(80.55,93.875) U11.P8@81.05,94.375 ; v1(80.55,99.875) U11.P3@81.05,99.375 ; v1(83.55,92.875) U11.L9@84.05,93.375 ; v1(83.55,94.875) U11.L7@84.05,95.375 ; v1(83.55,98.875) U11.L4@84.05,98.375 ; v1(83.55,100.875) U11.L2@84.05,100.375 ; U11.H8@87.05,94.375 v1(87.55,93.875) ; U11.H3@87.05,99.375 v1(87.55,99.875) ; U11.F9@89.05,93.375 v1(89.55,92.875) ; U11.F8@89.05,94.375 v1(89.55,93.875) ; U11.F7@89.05,95.375 v1(89.55,94.875) ; U11.F6@89.05,96.375 v1(89.55,95.875) ; U11.F5@89.05,97.375 v1(89.55,97.875) ; U11.F4@89.05,98.375 v1(89.55,98.875) ; U11.F3@89.05,99.375 v1(89.55,99.875) ; U11.F2@89.05,100.375 v1(89.55,100.875) ; U3.1@133.255,136.875 v1(137.92,136.875) ; U1.1@133.4,123.225 133.4,125.275 ; v1(133.4,127.95) 133.4,125.275 ; U1.2@134.05,123.225 134.05,124.625 133.4,125.275 ; 161.9,21.425 v1(161.9,22.8) ; 161.9,28.825 161.9,28.175 162.2,27.875 v1(162.4,27.875) ; 198.95,28.825 198.95,28.025 199.1,27.875 v1(200.95,27.875)
  TopLayer w0.2: v1(77.675,114.45) J14.A77@77.675,115.25 ; J14.A74@78.675,110.05 v1(78.675,110.85) ; v1(86.675,114.45) J14.A41@86.675,115.25 ; J14.A38@87.675,110.05 v1(87.675,110.85)
  TopLayer w0.25: v1(10.975,97.675) R20.1@11.925,97.675 ; v1(10.975,99.675) R24.1@11.925,99.675 ; v1(12.275,91.725) R29.1@13.225,91.725 ; 19.65,21.425 v1(19.65,22.35) ; 22.65,21.425 22.65,20.625 v1(22.9,20.375) ; v1(22.65,27.9) 22.65,28.825 ; v1(24.425,20.425) 24.65,20.65 24.65,21.425 ; 26.15,21.425 26.15,20.625 v1(26.4,20.375) ; v1(27.925,20.2) 27.925,20.325 28.15,20.55 28.15,21.425 ; v1(28.15,27.9) 28.15,28.825 ; 30.65,21.425 30.65,22.225 v1(30.9,22.475) ; 42.075,21.425 v1(42.075,22.425) ; 45.075,21.425 45.075,20.625 v1(45.325,20.375) ; v1(45.075,27.9) 45.075,28.825 ; v1(46.85,20.425) 47.075,20.65 47.075,21.425 ; 48.575,21.425 48.575,20.625 v1(48.825,20.375) ; v1(50.375,20.275) 50.575,20.475 50.575,21.425 ; v1(50.575,27.9) 50.575,28.825 ; 53.075,21.425 53.075,22.225 v1@53.363,22.512 ; SD1.4@54.375,94.375 v1(55.325,94.375) ; R74.1@58.7,89.325 59.6,89.325 61.6,91.325 v1(61.6,92.65) ; R76.1@58.7,93.825 v1(59.6,93.825) ; R77.1@58.7,97.325 v1(59.6,97.325) ; R78.1@58.7,99.575 v1(59.6,99.575) ; R75.1@58.75,91.625 59.675,91.625 60.225,92.175 v1(60.225,92.55) ; v1(61.8,95.375) R71.2@62.675,95.375 ; 67.3,21.425 v1@67.3,22.35 ; 70.3,21.425 70.3,20.4 v1(70.425,20.275) ; v1(70.3,27.9) 70.3,28.825 ; v1(71.95,20.225) 72.3,20.575 72.3,21.425 ; 73.8,21.425 73.8,20.625 v1(74.05,20.375) ; v1(75.7,20.325) 75.8,20.425 75.8,21.425 ; v1(75.8,27.9) 75.8,28.825 ; 78.3,21.425 78.3,22.225 v1@78.575,22.5 ; U10.19@78.435,145.06 78.435,145.96 v1(78.785,146.31) ; v1(133.4,127.95) U1.20@133.4,129.125 ; v1(134.485,27.32) 135.53,26.275 136.825,26.275 ; v1(137.92,136.875) U3.16@139.095,136.875 ; v1(137.92,143.65) U2.16@139.095,143.65 ; 141.05,21.4 141.05,21.425 v1(141.05,22.475) ; 144.05,21.425 144.05,20.65 v1@144.275,20.425 ; 144.05,28.825 v1(144.05,29.75) ; v1(145.825,20.275) 145.825,20.4 146.05,20.625 146.05,21.4 ; 147.55,21.4 147.55,20.6 147.8,20.35 v1(147.8,20.225) ; v1(149.325,20.275) 149.325,20.4 149.55,20.625 149.55,21.4 ; v1(149.55,27.875) 149.55,28.8 ; 152.05,21.4 152.05,21.425 152.05,22.2 152.3,22.45 v1(152.3,22.6) ; 153.9,21.4 153.9,21.425 v1(153.9,22.325) ; 156.9,21.4 156.9,21.425 v1(156.9,22.325) ; 156.9,28.825 v1(156.9,29.75) ; v1(158.675,20.4) 158.9,20.625 158.9,21.4 ; 160.4,21.4 160.4,20.6 v1(160.65,20.35) ; v1(162.175,20.425) 162.4,20.65 162.4,21.425 ; v1(162.4,27.875) 162.4,28.8 ; 164.9,21.4 164.9,21.425 164.9,22.2 v1(165.15,22.45) ; 166.775,21.425 v1(166.775,22.35) ; v1(169.55,22.55) 169.775,22.325 169.775,21.55 ; 169.775,28.825 v1(169.775,29.75) ; v1(171.55,20.425) 171.775,20.65 171.775,21.425 ; 173.275,21.425 173.275,20.625 v1(173.525,20.375) ; v1(175.05,20.425) 175.275,20.65 175.275,21.425 ; v1(175.275,27.9) 175.275,28.825 ; 177.775,21.425 177.775,22.225 v1(178.025,22.475) ; 179.65,21.4 v1(179.65,22.325) ; 182.65,21.375 182.65,20.575 v1(182.9,20.325) ; 182.65,28.8 v1(182.65,29.725) ; v1(184.425,20.4) 184.65,20.625 184.65,21.4 ; 186.15,21.4 186.15,20.6 v1(186.4,20.35) ; v1(187.725,20.1) 188.15,20.525 188.15,21.4 ; v1(188.15,27.875) 188.15,28.8 ; 189.275,36.675 v1(189.275,37.825) ; 190.65,21.4 190.65,22.2 v1(190.9,22.45) ; 192.45,21.4 192.45,21.425 v1(192.45,22.325) ; 195.45,21.4 195.45,20.45 v1(195.55,20.35) ; 195.45,28.825 v1(195.45,29.75) ; v1(197.225,20.4) 197.45,20.625 197.45,21.4 ; 197.3,36.675 v1(197.3,37.725) ; 198.95,21.4 198.95,20.6 v1(199.2,20.35) ; v1(200.725,20.425) 200.95,20.65 200.95,21.425 ; v1(200.95,27.875) 200.95,28.8 ; 203.45,21.4 203.45,21.425 203.45,22.2 v1(203.7,22.45) ; 205.325,21.425 v1(205.325,22.35) ; 208.325,21.3 208.325,20.5 v1(208.575,20.25) ; 208.325,28.825 v1(208.325,29.75) ; v1(210.1,20.425) 210.325,20.65 210.325,21.425 ; U4.16@210.45,131.52 v1(210.45,130.3) 211.1,129.65 U4.2@211.1,125.68 ; U5.16@210.45,141.545 v1(210.45,140.4) 211.75,139.1 U5.3@211.75,135.705 ; R7.2@210.475,146.6 v1(210.475,147.4) ; 210.675,36.675 v1(210.675,37.725) ; 211.825,21.425 211.825,20.625 v1(212.075,20.375) ; R6.2@212.525,146.6 v1(212.525,147.4) ; 213.825,21.425 v1(213.825,22.35) ; v1(213.825,27.9) 213.825,28.825 ; 216.325,21.425 216.325,22.225 v1(216.575,22.475) ; 218.175,21.425 v1(218.175,22.35) ; 221.175,21.425 v1(221.175,22.35) ; 221.175,28.825 v1(221.175,29.75) ; v1(222.95,20.425) 223.175,20.65 223.175,21.425 ; 224.675,21.425 224.675,20.625 v1(224.925,20.375) ; 225.5,36.675 v1(225.5,37.725) ; 226.675,21.425 v1(226.675,22.35) ; 226.675,28.825 v1(226.675,29.75) ; 229.175,21.425 229.175,22.225 v1(229.425,22.475)
  TopLayer w0.3: v1(11.85,109.05) R50.2@12.875,109.05 ; R42.2@14.875,105.375 16.195,105.375 J15.4@17.38,106.56 16.815,107.125 C33.2@14.875,107.125 ; v1(16.975,116.575) R49.2@17.925,116.575 ; U7.5@19.035,98.585 19.735,98.585 v1(20.175,99.025) 19.665,99.535 U7.6@19.035,99.535 ; U18.1.1@100.175,126.375 v1(100.175,128.65) ; U18.2.1@120.65,126.375 v1(120.65,128.6) ; v1(144.275,20.3) v1@144.275,20.425 ; v1(177.05,93.475) 177.4,93.825 U24.13@177.4,94.275 ; v1(177.05,97.975) 177.4,97.625 U24.8@177.4,97.175 ; v1(183.8,93.95) 184.075,94.225 U21.7@185.1,94.225 ; R106.2@184.7,97.05 v1(184.7,98.125) ; v1(186.16,79.31) U23.6@187.45,79.31 ; C127.2@211.723,73.325 211.783,73.265 v1(212.507,73.265) U26.1@213.875,73.265
  TopLayer w0.5: P1.9@126.7,84.15 130.725,84.15 v1(132.1,85.525) ; P1.11@126.7,85.15 130.3,85.15 v1(131.375,86.225)
  MidLayer4 w0.5: v1(13.475,139.825) 15.375,139.825 21.075,145.525 v1(33.375,145.525) 34.55,146.7 34.55,150.2 36.825,152.475 37.46,152.475 v1(53.25,152.475)
  BottomLayer w0.15: C40.1@67.425,100.075 C40.1@67.625,100.275 ; R101.1.4@146.275,125.95 146.275,125.38 146.38,125.275 147.155,125.275 ; R101.1.3@147.075,125.95 147.075,125.355 147.155,125.275 ; R101.1.2@147.875,125.95 147.875,125.295 147.855,125.275 ; R101.1.1@148.675,125.95 148.675,125.295 148.655,125.275 ; R100.1.4@149.93,125.95 149.93,125.325 149.98,125.275 ; R100.1.3@150.73,125.95 150.73,125.275 ; R100.1.2@151.53,125.95 151.53,125.275 ; R100.1.1@152.33,125.95 152.33,125.4 152.205,125.275 151.53,125.275 ; R101.2.4@163.15,125.95 163.15,125.38 163.255,125.275 164.03,125.275 ; R101.2.3@163.95,125.95 163.95,125.355 164.03,125.275 ; R101.2.2@164.75,125.95 164.75,125.295 164.73,125.275 ; R101.2.1@165.55,125.95 165.55,125.295 165.53,125.275 ; R100.2.4@166.805,125.95 166.805,125.325 166.855,125.275 ; R100.2.3@167.605,125.95 167.605,125.275 ; R100.2.2@168.405,125.95 168.405,125.275 ; R100.2.1@169.205,125.95 169.205,125.4 169.08,125.275 168.405,125.275 ; R101.3.4@180.025,125.95 180.025,125.38 180.13,125.275 180.905,125.275 ; R101.3.3@180.825,125.95 180.825,125.355 180.905,125.275 ; R101.3.2@181.625,125.95 181.625,125.295 181.605,125.275 ; R101.3.1@182.425,125.95 182.425,125.295 182.405,125.275 ; R100.3.4@183.68,125.95 183.68,125.325 183.73,125.275 ; R100.3.3@184.48,125.95 184.48,125.275 ; R100.3.2@185.28,125.95 185.28,125.275 ; R100.3.1@186.08,125.95 186.08,125.4 185.955,125.275 185.28,125.275 ; 194.8,18.825 194.8,19.55 195,19.75 195.7,19.75 ; 195.6,18.825 195.6,19.65 195.7,19.75 ; 196.85,18.825 196.85,19.7 196.8,19.75 ; R101.4.4@196.9,125.95 196.9,125.38 197.005,125.275 197.78,125.275 ; v1@197.175,20.6 197.175,19.813 197.238,19.75 ; 197.65,18.825 197.65,19.725 197.675,19.75 ; R101.4.3@197.7,125.95 197.7,125.355 197.78,125.275 ; 198.45,18.825 198.45,19.7 198.4,19.75 ; R101.4.2@198.5,125.95 198.5,125.295 198.48,125.275 ; 199.25,18.825 199.25,19.625 199.125,19.75 198.4,19.75 ; R101.4.1@199.3,125.95 199.3,125.295 199.28,125.275 ; R100.4.4@200.555,125.95 200.555,125.325 200.605,125.275 ; R100.4.3@201.355,125.95 201.355,125.275 ; R100.4.2@202.155,125.95 202.155,125.275 ; R100.4.1@202.955,125.95 202.955,125.4 202.83,125.275 202.155,125.275 ; 204.5,18.825 205,18.825 205.225,19.05 205.225,21.4 ; 206.825,47.15 206.825,47.825 207.025,48.025 207.675,48.025 ; 207.625,47.15 207.625,47.975 207.675,48.025 ; 208.425,47.15 208.425,48.025 ; 209.225,47.15 209.225,48 209.25,48.025 ; v1(210.675,48.025) 209.25,48.025 ; 147.155,125.275 147.855,125.275 ; 147.855,125.275 148.655,125.275 ; 148.655,125.275 149.98,125.275 ; 149.98,125.275 150.73,125.275 ; 150.73,125.275 151.53,125.275 ; 164.03,125.275 164.73,125.275 ; 164.73,125.275 165.53,125.275 ; 165.53,125.275 166.855,125.275 ; 166.855,125.275 167.605,125.275 ; 167.605,125.275 168.405,125.275 ; 180.905,125.275 181.605,125.275 ; 181.605,125.275 182.405,125.275 ; 182.405,125.275 183.73,125.275 ; 183.73,125.275 184.48,125.275 ; 184.48,125.275 185.28,125.275 ; 195.7,19.75 196.8,19.75 ; 196.8,19.75 197.238,19.75 ; 197.238,19.75 197.675,19.75 ; 197.675,19.75 198.4,19.75 ; 197.78,125.275 198.48,125.275 ; 198.48,125.275 199.28,125.275 ; 199.28,125.275 200.605,125.275 ; 200.605,125.275 201.355,125.275 ; 201.355,125.275 202.155,125.275 ; 207.675,48.025 208.425,48.025 ; 208.425,48.025 209.25,48.025